# Altium PCB MdFOC.PcbDoc (part 1 of 2) (continued)
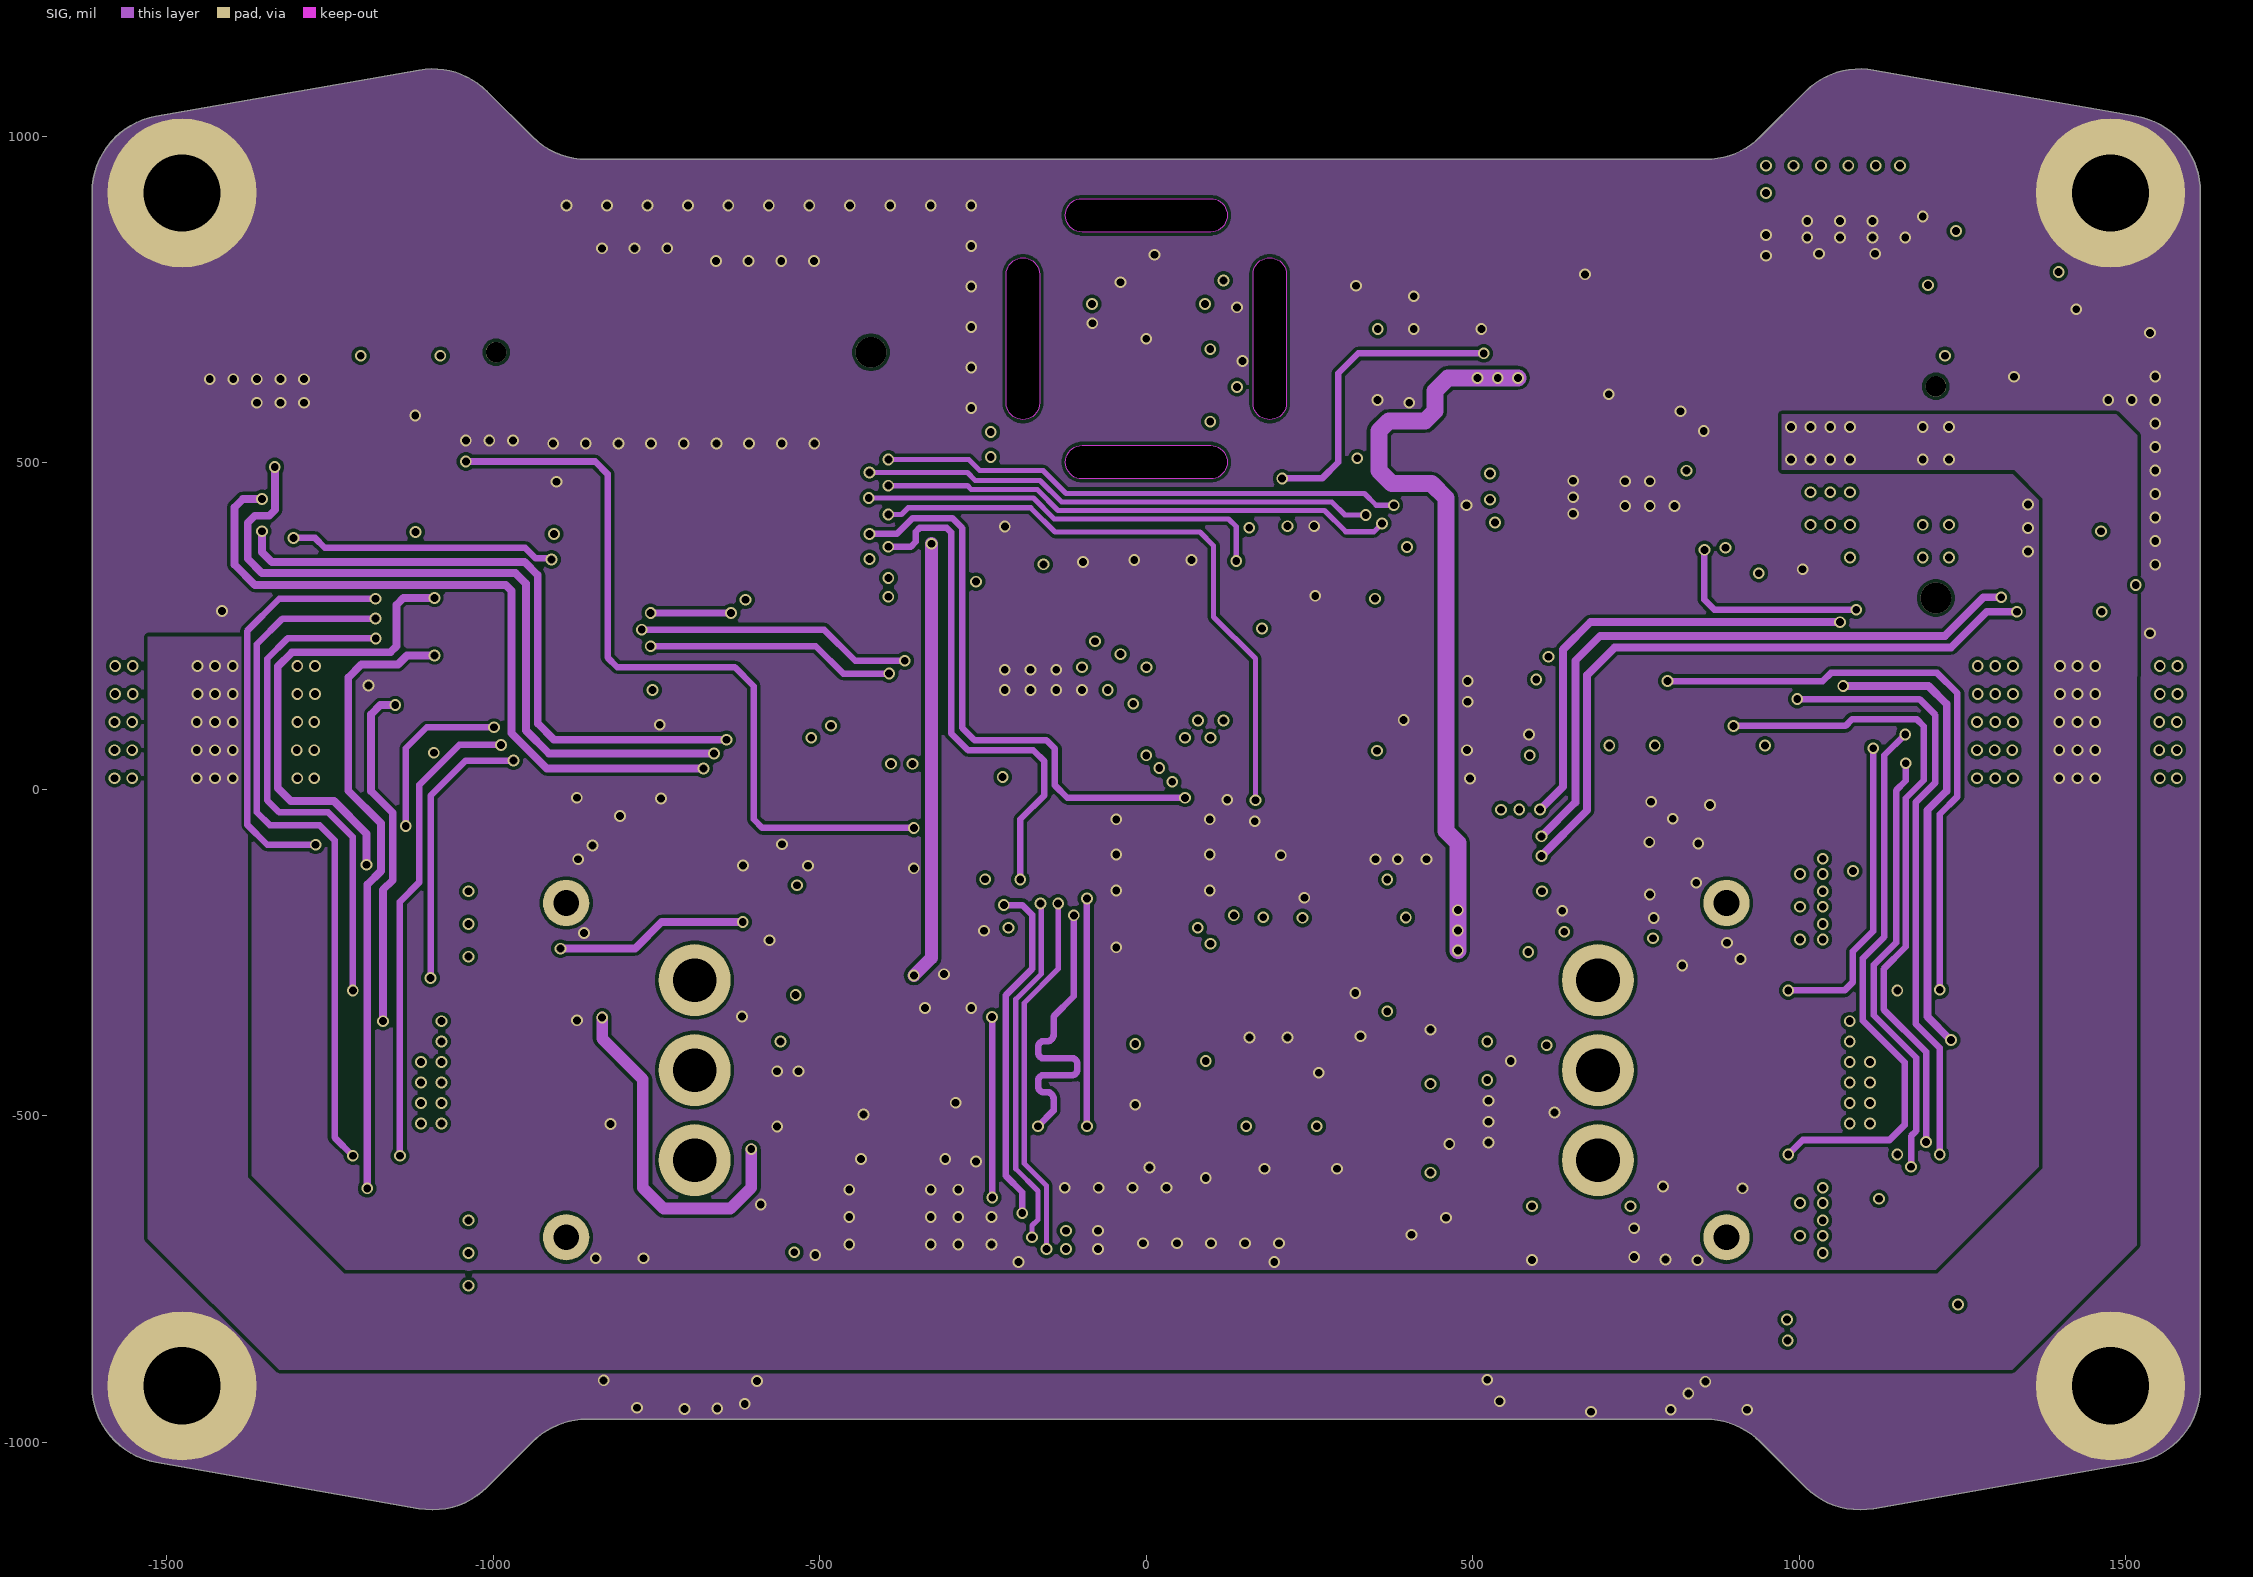
[diagram p3: SIG]
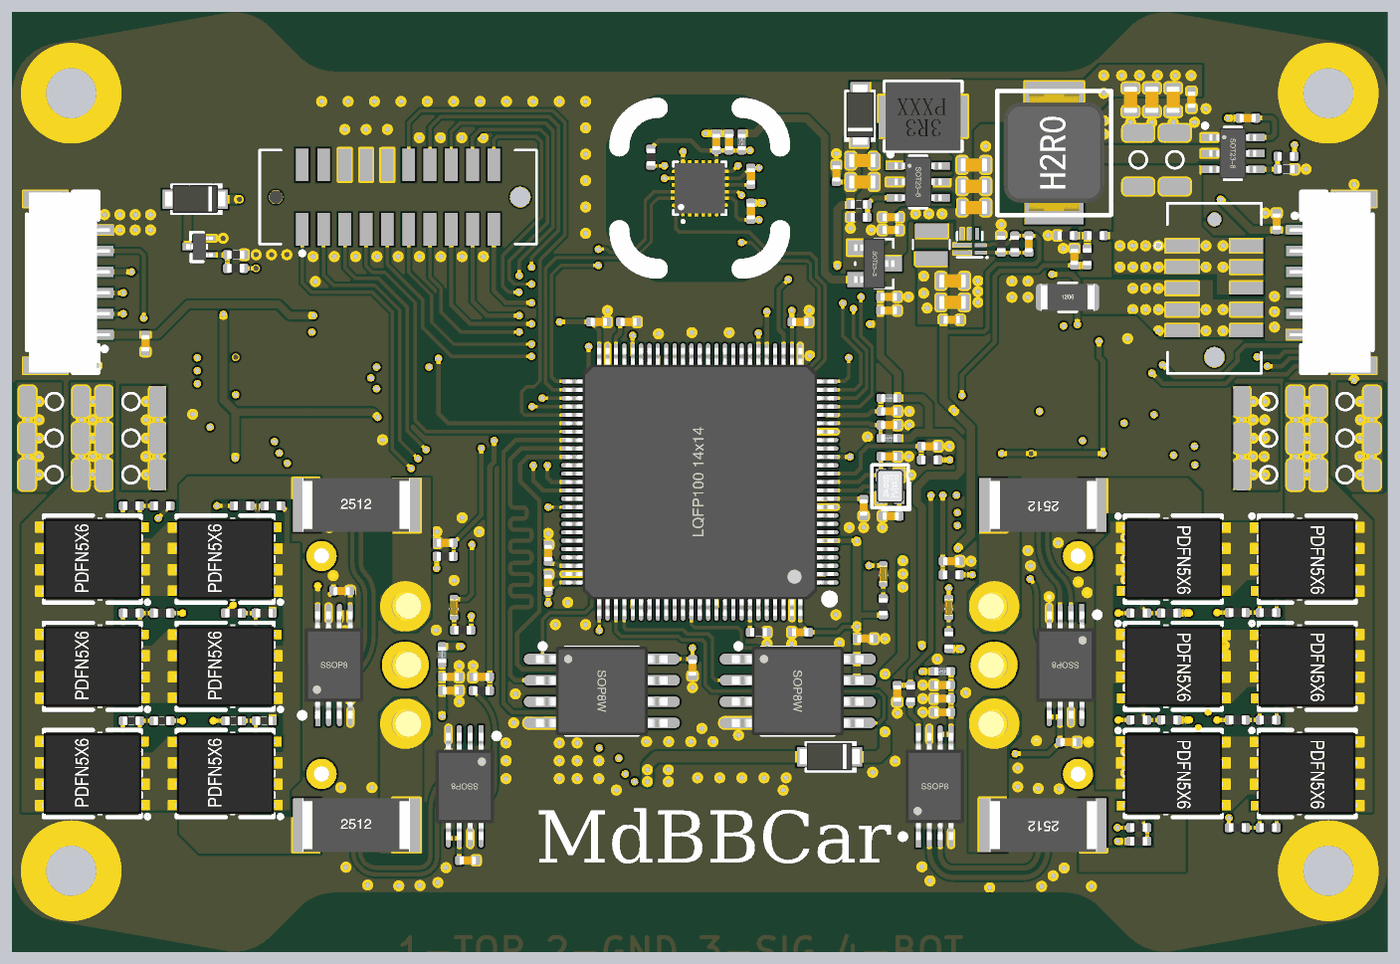
[diagram p5: 3D render of the assembled board from above, using the file's embedded part models]
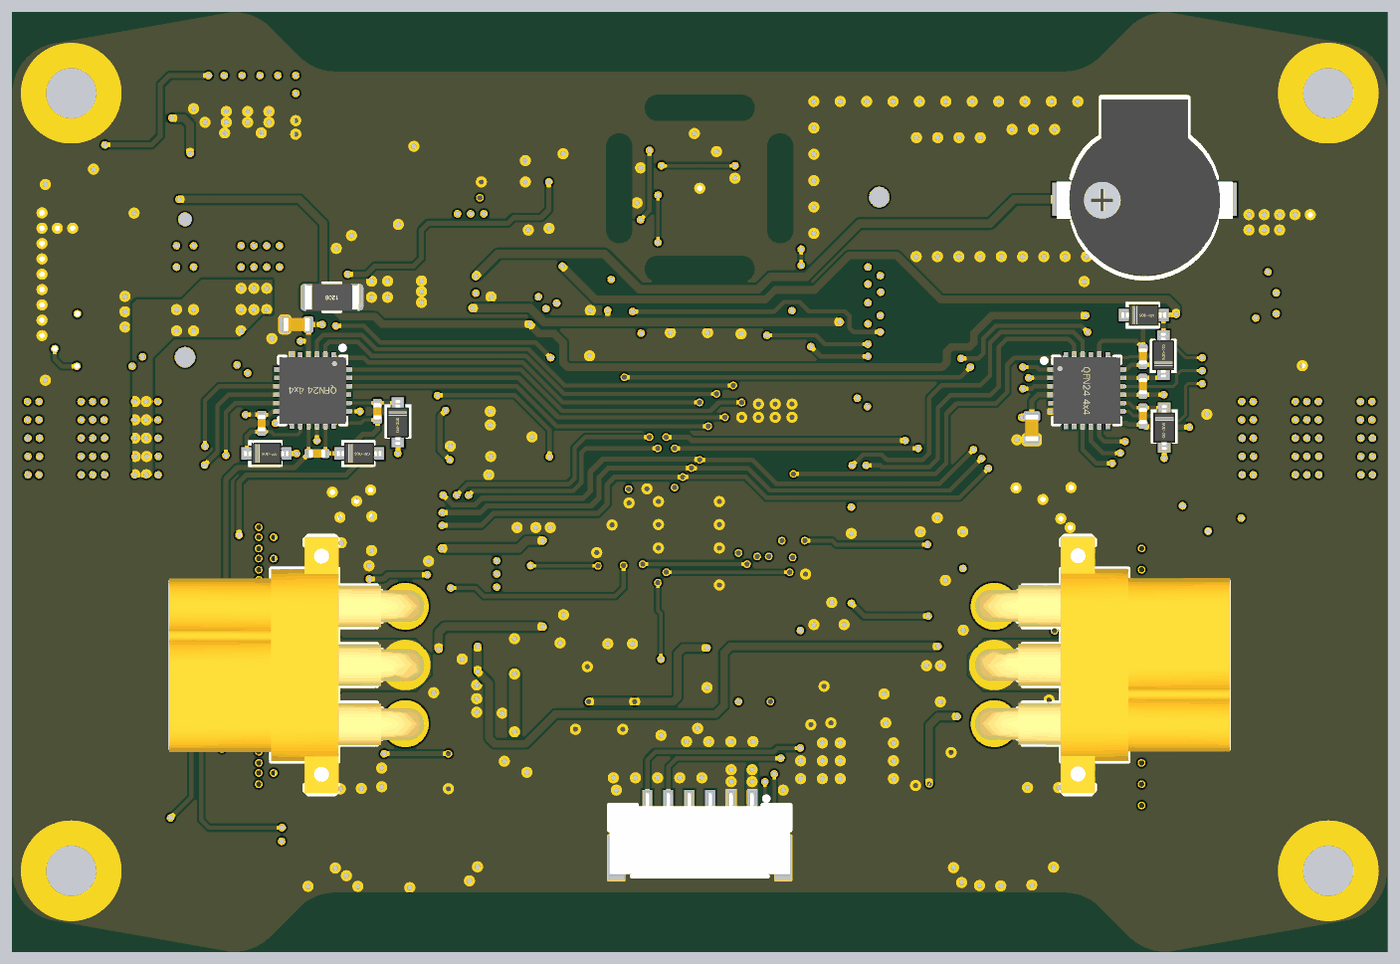
[diagram p6: 3D render of the assembled board from below, using the file's embedded part models]

## Layer stack, top to bottom
Top Solder: solder mask 0.4, Solder Resist, Dk 3.5
Top Layer: signal copper 1.4
Dielectric 2: prepreg 8.2835, PP-006, Dk 4.1
GND: plane copper 0.689, net (Multiple Nets)
Dielectric 3: prepreg 41.9291, PP-006, Dk 4.1
SIG: signal copper 0.689
Dielectric 1: dielectric 8.2835, FR-4, Dk 4.8
Bottom Layer: signal copper 1.4
Bottom Solder: solder mask 0.4, Solder Resist, Dk 3.5

## Board outline
-1113.6,-1101.42 ccw(c-1093.09,-985.11) -1009.57,-1068.62 -940.1,-999.16 cw(c-856.59,-1082.67) -856.59,-964.57 856.59,-964.57 cw(c856.59,-1082.67) 940.1,-999.16 1009.57,-1068.62 ccw(c1093.09,-985.11) 1113.6,-1101.42 1516.57,-1030.37 ccw(c1496.06,-914.05) 1614.17,-914.05 1614.17,914.05 ccw(c1496.06,914.05) 1516.57,1030.37 1113.6,1101.42 ccw(c1093.09,985.11) 1009.57,1068.62 940.1,999.16 cw(c856.59,1082.67) 856.59,964.57 -856.59,964.57 cw(c-856.59,1082.67) -940.1,999.16 -1009.57,1068.62 ccw(c-1093.09,985.11) -1113.6,1101.42 -1516.57,1030.37 ccw(c-1496.06,914.05) -1614.17,914.05 -1614.17,-914.05 ccw(c-1496.06,-914.05) -1516.57,-1030.37
cut-out: 124.02,501.02 cw(c98.43,501.02) 98.43,475.43 -98.42,475.43 cw(c-98.42,501.02) -124.02,501.02 cw(c-98.42,501.02) -98.42,526.61 98.43,526.61 cw(c98.43,501.02) 124.02,501.02
cut-out: -188.98,565.98 cw(c-188.98,591.57) -214.57,591.57 -214.57,788.42 cw(c-188.98,788.42) -188.98,814.02 cw(c-188.98,788.42) -163.39,788.42 -163.39,591.57 cw(c-188.98,591.57) -188.98,565.98
cut-out: 188.98,565.98 cw(c188.98,591.57) 163.39,591.57 163.39,788.42 cw(c188.98,788.42) 188.98,814.02 cw(c188.98,788.42) 214.57,788.42 214.57,591.57 cw(c188.98,591.57) 188.98,565.98
cut-out: 124.02,878.98 cw(c98.43,878.98) 98.43,853.39 -98.42,853.39 cw(c-98.42,878.98) -124.02,878.98 cw(c-98.42,878.98) -98.42,904.57 98.43,904.57 cw(c98.43,878.98) 124.02,878.98

## Design rules (kind name [scope] priority, off if disabled: settings)
Clearance [All] p1: gap=5 ignorepadtopadclearanceinfootprint=FALSE
ComponentClearance [All] p1: gap=2 collisioncheckmode=3 verticalgap=2 showdistances=FALSE
DiffPairsRouting [All] p1: maxlimit=20 minlimit=4 mostfreqgap=6 toplayer_minwidth=8 toplayer_maxwidth=50 toplayer_prefwidth=10 midlayer1_minwidth=8 midlayer1_maxwidth=50 midlayer1_prefwidth=10 bottomlayer_minwidth=8 bottomlayer_maxwidth=50 bottomlayer_prefwidth=10 maxuncoupledlength=500
MatchedLengths [InNetClass('QSPI_MATCHLEN')] p1: tolerance=10 checknetsindiffpair=FALSE checkdiffpairvsdiffpair=TRUE checkxsignals=TRUE checkothers=TRUE
PlaneClearance [All] p1: clearance=8
PlaneConnect [All] p1: planeconnectstyle=Direct reliefexpansion=20 reliefentries=4 reliefconductorwidth=10 reliefairgap=10
PolygonConnect [All] p1: connectstyle=Direct reliefconductorwidth=10 reliefentries=4 polygonreliefangle="90 Angle" airgapwidth=10
RoutingVias [All] p1: holewidth=12 width=18 viastyle="Through Hole" minholewidth=12 minwidth=18 maxholewidth=28 maxwidth=50
SolderMaskExpansion [All] p1: expansion=4 istentingtop=FALSE
Width [All] p1: maxlimit=50 minlimit=4 preferedwidth=10
26 further rules are at their usual default settings.

## Classes and differential pairs
differential pair 2B_ISENS: +2B_ISENS_P -2B_ISENS_N
differential pair 2A_ISENS: +2A_ISENS_P -2A_ISENS_N
differential pair 1B_ISENS: +1B_ISENS_P -1B_ISENS_N
differential pair 1A_ISENS: +1A_ISENS_P -1A_ISENS_N

## Components (designator, comment, footprint, x,y, rotation, side; value= is the part's Value field where it differs from the comment)
C1 "100nF" "C 0402_L" 445,134 r0 top
C2 "100nF" "C 0402_L" 385,-60 r90 top
C3 "100nF" "C 0402_L" 236,376 r180 top
C4 "100nF" "C 0402_L" -237,376 r180 top
C5 "100nF" "C 0402_L" -356,-237 r270 top
C6 "100nF" "C 0402_L" 236,-353 r0 top
C7 "12pF" "C 0402_L" 449,-80 r0 top
C8 "12pF" "C 0402_L" 445,60 r180 top
C9 "100nF" "C 0402_L" 445,166 r180 top
C10 "100nF" "C 0402_L" 540,84 r0 top
C11 "2.2uF" "C 0402_L" -167,376 r180 top
C12 "2.2uF" "C 0402_L" -356,-167 r270 top
C13 "100nF" "C 0402_L" -1302,326 r90 top
C14 "22uF/50V" "C 1206_L" -1336,103 r0 top
C15 "22uF/50V" "C 1206_L" -1336,17 r0 top
C16 "22uF/50V" "C 1206_L" -1336,189 r0 top
C17 "22uF/50V" "C 1206_L" -1517,103 r180 top
C18 "22uF/50V" "C 1206_L" -1517,17 r180 top
C19 "22uF/50V" "C 1206_L" -1516,189 r180 top
C20 "100nF" "C 0402_L" -1041,295 r90 bottom
C21 "10uF" "C 0603_L" -780,127 r270 bottom
C22 "100nF" "C 0402_L" -1041,225 r90 bottom
C23 "100nF" "C 0402_L" -1041,155 r90 bottom
C24 "2.2nF" "C 0402_L" -598,-143 r0 top
C25 "2.2nF" "C 0402_L" -513,-458 r0 top
C26 "100nF" "C 0402_L" -841,-256 r180 top
C27 "100nF" "C 0402_L" -545,-889 r180 top
C28 "100nF" "C 0402_L" 1355,612 r270 top
C29 "22uF/50V" "C 1206_L" 1516,189 r0 top
C30 "22uF/50V" "C 1206_L" 1516,103 r0 top
C31 "22uF/50V" "C 1206_L" 1516,17 r0 top
C32 "22uF/50V" "C 1206_L" 1336,189 r180 top
C33 "22uF/50V" "C 1206_L" 1336,17 r180 top
C34 "22uF/50V" "C 1206_L" 1336,103 r180 top
C35 "100nF" "C 0402_L" 757,166 r90 bottom
C36 "10uF" "C 0603_L" 947,370 r0 bottom
C37 "100nF" "C 0402_L" 899,67 r180 bottom
C38 "100nF" "C 0402_L" 1029,138 r270 bottom
C39 "2.2nF" "C 0402_L" 591,-186 r180 top
C40 "2.2nF" "C 0402_L" 464,-497 r90 top
C41 "100nF" "C 0402_L" 866,-611 r180 top
C42 "100nF" "C 0402_L" 570,-541 r0 top
C43 "4.7uF" "C 0402_L" -585,-458 r180 top
C44 "100nF" "C 0402_L" -585,-490 r180 top
C45 "4.7uF" "C 0402_L" 570,-477 r0 top
C46 "100nF" "C 0402_L" 570,-509 r0 top
C47 "22uF" "C 1206_L" 1030,757 r90 top
C48 "22uF" "C 1206_L" 1116,757 r90 top
C49 "22uF" "C 0603_L" 1062,898 r90 top
C50 "22uF" "C 0603_L" 1112,898 r90 top
C51 "22uF" "C 0603_L" 1012,898 r90 top
C52 "100nF" "C 0402_L" 1155,898 r90 top
C53 "22uF" "C 0603_L" 644,745 r180 top
C54 "22uF" "C 0603_L" 382,755 r180 top
C55 "22uF" "C 0603_L" 382,705 r180 top
C56 "100nF" "C 0402_L" 321,725 r270 top
C57 "100nF" "C 0402_L" 1287,855 r180 top
C58 "22uF" "C 0603_L" 644,695 r180 top
C59 "22uF" "C 0603_L" 594,472.45 r180 top
C60 "22uF" "C 0603_L" 594,422 r180 top
C61 "100nF" "C 0402_L" 592,381 r180 top
C62 "22uF" "C 0603_L" 644,645 r180 top
C63 "6.8pF" "C 0402_L" 773,559 r270 top
C64 "10uF" "C 0402_L" 449,622 r0 top
C65 "1uF" "C 0402_L" 449,592 r0 top
C66 "10uF" "C 0402_L" 444,435 r180 top
C67 "1uF" "C 0402_L" 444,403 r180 top
C68 "2.2uF" "C 0402_L" 880,529 r270 top
C69 "100nF" "C 0402_L" 120,636 r90 top
C70 "100nF" "C 0402_L" 120,718 r90 top
C71 "100nF" "C 0402_L" 39,799 r270 top
C72 "2.2uF" "C 0402_L" 69,799 r270 top
C73 "104" "C 0402_L" -17,-436 r90 top
C74 "104" "C 0402_L" 389,-368 r180 top
D1 "IN5819WS" SOD-323 -1043,392 r180 bottom
D2 "IN5819WS" SOD-323 -1089,298 r90 bottom
D3 "IN5819WS" SOD-323 -1091,128 r270 bottom
D4 "IN5819WS" SOD-323 709,140 r270 bottom
D5 "IN5819WS" SOD-323 800,67 r180 bottom
D6 "IN5819WS" SOD-323 1018,67 r180 bottom
D7 "DSS34" SOD-123FL 379,863 r90 top
D8 "DSS34" SOD-123FL 305,-643 r180 top
D9 "DSS34" SOD-123FL -1185,667 r180 top
J1 "MR30PW-F" MR30PW_F -790,-430 r180 bottom locked
J2 "MR30PW-F" MR30PW_F 790,-430 r0 bottom
J3 "BTB-1.27-LI-2X5P" 1.27-LI-2X5P 1209,455 r270 top
J4 "BTB-1.27-LI-2X10P" 1.27-LI-2X10P -708.66,669.29 r0 top
JP1 "HDR-1X6" GH1.25-WS-6P -1474,469 r270 top
JP2 "HDR-1X6" GH1.25-WS-6P 1474,469 r90 top
JP3 "HDR-1X6" GH1.25-WS-6P 0,-820 r180 bottom
L1 "2.2nH" "L 0402" 445,103 r180 top
L2 "2.2nH" "L 0402" 445,197 r180 top
L3 "BLM15AX102SN1D" "L 0402" -605,-406 r90 top
L4 "BLM15AX102SN1D" "L 0402" 570,-445 r180 top
L5 "2.2uH" L-4020 520,862 r180 top
L6 "3.3uH" L-0630 827,780 r90 top
L7 "FTC252012S2R2" 252012 544,558 r270 top
L8 "BLM15AX102SN1D" "L 0402" 99,799 r270 top
LED1 "红色" "LED 0402R" 431,-218 r90 top
LED2 "红色" "LED 0402R" -576.89,-296.61 r90 top
LED3 "红色" "LED 0402R" 585,-296.61 r90 top
LS1 "DC5V" BEEP_SMD_SBZ9032C03R16 -1045,664 r180 bottom locked
Q1 "KNY3303A" PDFN-8(5.8x4.9) -1453.96,-181.2 r90 top
Q2 "KNY3303A" PDFN-8(5.8x4.9) -1453.96,-685 r90 top
Q3 "KNY3303A" PDFN-8(5.8x4.9) -1453.96,-433.1 r90 top
Q4 "KNY3303A" PDFN-8(5.8x4.9) -1141.96,-181.2 r90 top
Q5 "KNY3303A" PDFN-8(5.8x4.9) -1141.96,-685 r90 top
Q6 "KNY3303A" PDFN-8(5.8x4.9) -1141.96,-433.1 r90 top
Q7 "KNY3303A" PDFN-8(5.8x4.9) 1453.96,-181.2 r270 top
Q8 "KNY3303A" PDFN-8(5.8x4.9) 1453.96,-685 r270 top
Q9 "KNY3303A" PDFN-8(5.8x4.9) 1453.96,-433.1 r270 top
Q10 "KNY3303A" PDFN-8(5.8x4.9) 1139.76,-181.2 r270 top
Q11 "KNY3303A" PDFN-8(5.8x4.9) 1139.76,-685 r270 top
Q12 "KNY3303A" PDFN-8(5.8x4.9) 1139.76,-433.1 r270 top
Q13 "2SK3019" SOT523 -1176,553 r180 top
R1 "10K" "R 0402_L" 540,52 r180 top
R2 "10K" "R 0402_L" 138,-353 r180 top
R3 "20R" "R 0402_L" -1263,-56 r0 top
R4 "20R" "R 0402_L" -1263,-561 r0 top
R5 "20R" "R 0402_L" -1263,-308 r0 top
R6 "10K" "R 0402_L" -1335,-56 r0 top
R7 "10K" "R 0402_L" -1335,-561 r0 top
R8 "10K" "R 0402_L" -1335,-308 r0 top
R9 "0.01R" "R 2512_L" -807.03,-54 r0 top
R10 "0.01" "R 2512_L" -807.03,-806 r0 top
R11 "100R" "R 0402_L" -598,-175 r0 top
R12 "100R" "R 0402_L" -513,-490 r0 top
R13 "20R" "R 0402_L" -1075,-56 r180 top
R14 "20R" "R 0402_L" -1095,-561 r180 top
R15 "20R" "R 0402_L" -1095,-308 r180 top
R16 "10K" "R 0402_L" -1003,-56 r180 top
R17 "10K" "R 0402_L" -1023,-561 r180 top
R18 "10K" "R 0402_L" -1023,-308 r180 top
R19 "20R" "R 0402_L" 1263,-307 r180 top
R20 "20R" "R 0402_L" 1263,-812 r180 top
R21 "20R" "R 0402_L" 1263,-559 r180 top
R22 "10K" "R 0402_L" 1335,-307 r180 top
R23 "10K" "R 0402_L" 1335,-812 r180 top
R24 "10K" "R 0402_L" 1335,-559 r180 top
R25 "0.01R" "R 2512_L" 807.03,-54 r180 top
R26 "0.01R" "R 2512_L" 807.03,-806 r180 top
R27 "100R" "R 0402_L" 591,-218 r180 top
R28 "100R" "R 0402_L" 495,-497 r90 top
R29 "20R" "R 0402_L" 1031,-308 r180 top
R30 "20R" "R 0402_L" 1031,-812 r180 top
R31 "20R" "R 0402_L" 1031,-559 r180 top
R32 "10K" "R 0402_L" 1103,-308 r180 top
R33 "10K" "R 0402_L" 1031,-844 r0 top
R34 "10K" "R 0402_L" 1103,-559 r180 top
R35 "200K" "R 0402_L" 374,652 r180 top
R36 "10K" "R 0402_L" 374,622 r180 top
R37 "10K" "R 0402_L" 1377,735 r180 top
R38 "54.9K" "R 0402_L" 1377,765 r0 top
R39 "0R" "R 1206_L" 864,434 r0 top
R40 "0R" "R 1206_L" 864,434 r0 bottom
R41 "100K" "R 0402_L" 708,559 r90 top
R42 "450K" "R 0402_L" 740,559 r270 top
R43 "100K" "R 0402_L" 930,579 r0 top
R44 "1K" "R 0402_L" 910,529 r90 top
R45 "10K" "R 0402_L" 860,579 r0 top
R46 "10K" "R 0402_L" -115,763 r270 top
R47 "100R" "R 0402_L" -1090,502 r180 top
R48 "10K" "R 0402_L" -1090,534 r180 top
R49 "2K" "R 0402_L" 431,-293 r270 top
R50 "2K" "R 0402_L" -557,-348 r0 top
R51 "2K" "R 0402_L" 585,-372 r270 top
U1 "STM32H750VBT6" "LQFP100 14x14_L" 0,0 r90 top locked
U2 "FD6288Q" "QFN24 4x4_L" -909,214.99 r270 bottom
U3 "INA240" SSOP8_L -859,-430 r90 top
U4 "INA240" SSOP8_L -552,-715 r270 top
U5 "FD6288Q" "QFN24 4x4_L" 909,215 r0 bottom
U6 "INA240" SSOP8_L 859,-430 r270 top
U7 "INA240" SSOP8_L 552,-715 r90 top
U8 "TPS564201" SOT23-6L 1252,772 r270 top
U9 "MT3608L" SOT23-6L 513,705 r270 top
U10 "SY8843QWC" "QFN7 1.5X1.5" 638,561 r180 top
U11 "CJ6206A33M" SOT23-3L 410,513 r270 top
U12 "MPU6500" "QFN24 3X3" 0,690 r0 top
U13 "W25QxxJVXX" SOP8W_L -230,-491 r0 top
U14 "W25QxxJVXX" SOP8W_L 230,-491 r0 top
X1 "40M" "OSC 2016-4P" 447,-10 r90 top

## Footprints (in the part's own frame and the unit in brackets; to place one, negate y for a bottom-side part, rotate by r counter-clockwise, add the part's x,y. Pads: shape width x height; smd on the part's side, far side on the other; paste and mask are expansions set on the pad)
1.27-LI-2X5P [mm]
  round 0.8 hole 0.8: 0(-4.115,0)
  round 1.2 hole 1.2: 0(4.115,0)
  rect 0.76x1.95 smd: 1(-2.54,-1.925) 2(-1.27,-1.925) 3(0,-1.925) 4(1.27,-1.925) 5(2.54,-1.925) 6(2.54,1.925) 7(1.27,1.925) 8(0,1.925) 9(-1.27,1.925) 10(-2.54,1.925)
  silkscreen extent -5.08,-3.47 5.08,2.8
1.27-LI-2X10P [mm]
  round 0.8 hole 0.8: 0(-7.29,0)
  round 1.2 hole 1.2: 0(7.29,0)
  rect 0.76x1.95 smd: 1(-5.715,-1.925) 2(-4.445,-1.925) 3(-3.175,-1.925) 4(-1.905,-1.925) 5(-0.635,-1.925) 6(0.635,-1.925) 7(1.905,-1.925) 8(3.175,-1.925) 9(4.445,-1.925) 10(5.715,-1.925) 11(5.715,1.925) 12(4.445,1.925) 13(3.175,1.925) 14(1.905,1.925) 15(0.635,1.925) 16(-0.635,1.925) 17(-1.905,1.925) 18(-3.175,1.925) 19(-4.445,1.925) 20(-5.715,1.925)
  silkscreen extent -8.25,-3.47 8.25,2.8
252012 [mm]
  rect 0.85x1.905 smd: 1(-0.83,0) 2(0.83,0)
  silkscreen extent -0.29,-1.1 0.29,1.1, body extent -1.25,-1 1.25,1, height 1.2
BEEP_SMD_SBZ9032C03R16 [mm]
  rect 3x2 smd: 1(-4,0) 2(4,0)
  silkscreen extent -4.38,-4.71 4.32,6.1, body extent -5.25,-4.55 5.25,5.95, height 2.51
"C 0402_L" [mm] "无极性贴片电容"
  rrect50% 0.5x0.55 smd: 1(-0.5,0) 2(0.5,0)
  silkscreen extent -0.13,-0.13 0.13,0.13, body extent -0.5,-0.25 0.5,0.25, height 0.5
"C 0603_L" [mm] "无极性贴片电容"
  rrect50% 0.6x1 smd: 1(-0.7,0) 2(0.7,0)
  silkscreen extent -0.2,-0.2 0.2,0.2, body extent -0.8,-0.4 0.8,0.4, height 0.8
"C 1206_L" [mm] "无极性贴片电容"
  rrect50% 1x1.85 smd: 1(1.6,0) 2(-1.6,0)
  silkscreen extent -0.51,-0.51 0.51,0.51, body extent -1.5,-0.75 1.5,0.75, height 1.5
GH1.25-WS-6P [mm]
  rect 0.6x1.7 smd paste+0 mask+0.051: 1(3.125,1.6) 2(1.875,1.6) 3(0.625,1.6) 4(-0.625,1.6) 5(-1.875,1.6) 6(-3.125,1.6)
  rect 1x2.7 smd paste+0 mask+0.051: 7(-4.975,-1.6) 8(4.975,-1.6)
  silkscreen extent -5.4,-2.7 5.4,2.06, body extent -5.38,-2.58 5.38,2.28, height 4.28
"L 0402" [mil] "小功率贴片电感"
  rrect50% 20x20 smd: 1(20,0) 2(-20,0)
  silkscreen extent -7,-9 7,9, body extent -20,-10 20,10, height 20
L-0630 [mm]
  rect 2.4x3.5 smd: 1(-3.231,-0.141) 2(2.869,-0.141)
  silkscreen extent -3.88,-3.54 3.52,3.26, body extent -3.65,-3.13 3.35,2.87, height 3
L-4020 [mm]
  rect 1.5x2.5 smd: 1(-2.018,0.072) 2(1.782,0.072)
  silkscreen extent -2.42,-1.98 2.18,2.12, body extent -2.37,-1.96 2.13,2.14, height 1.91
"LED 0402R" [mil]
  rrect50% 20x20 smd: 1(21.61,0.11) 2(-18.39,0.11)
  silkscreen extent -4,-10 7,11, body extent -18,-10 21,10, height 18
"LQFP100 14x14_L" [mm] "100脚，体宽14x14mm，脚距0.5mm"
  oval 0.25x1.5 smd: 1(-6,-7.525) 2(-5.5,-7.525) 3(-5,-7.525) 4(-4.5,-7.525) 5(-4,-7.525) 6(-3.5,-7.525) 7(-3,-7.525) 8(-2.5,-7.525) 9(-2,-7.525) 10(-1.5,-7.525) 11(-1,-7.525) 12(-0.5,-7.525) 13(0,-7.525) 14(0.5,-7.525) 15(1,-7.525) 16(1.5,-7.525) 17(2,-7.525) 18(2.5,-7.525) 19(3,-7.525) 20(3.5,-7.525) 21(4,-7.525) 22(4.5,-7.525) 23(5,-7.525) 24(5.5,-7.525) 25(6,-7.525) 51(6,7.525) 52(5.5,7.525) 53(5,7.525) 54(4.5,7.525) 55(4,7.525) 56(3.5,7.525) 57(3,7.525) 58(2.5,7.525) 59(2,7.525) 60(1.5,7.525) 61(1,7.525) 62(0.5,7.525) 63(0,7.525) 64(-0.5,7.525) 65(-1,7.525) 66(-1.5,7.525) 67(-2,7.525) 68(-2.5,7.525) 69(-3,7.525) 70(-3.5,7.525) 71(-4,7.525) 72(-4.5,7.525) 73(-5,7.525) 74(-5.5,7.525) 75(-6,7.525)
  oval 1.5x0.25 smd: 26(7.525,-6) 27(7.525,-5.5) 28(7.525,-5) 29(7.525,-4.5) 30(7.525,-4) 31(7.525,-3.5) 32(7.525,-3) 33(7.525,-2.5) 34(7.525,-2) 35(7.525,-1.5) 36(7.525,-1) 37(7.525,-0.5) 38(7.525,0) 39(7.525,0.5) 40(7.525,1) 41(7.525,1.5) 42(7.525,2) 43(7.525,2.5) 44(7.525,3) 45(7.525,3.5) 46(7.525,4) 47(7.525,4.5) 48(7.525,5) 49(7.525,5.5) 50(7.525,6) 76(-7.525,6) 77(-7.525,5.5) 78(-7.525,5) 79(-7.525,4.5) 80(-7.525,4) 81(-7.525,3.5) 82(-7.525,3) 83(-7.525,2.5) 84(-7.525,2) 85(-7.525,1.5) 86(-7.525,1) 87(-7.525,0.5) 88(-7.525,0) 89(-7.525,-0.5) 90(-7.525,-1) 91(-7.525,-1.5) 92(-7.525,-2) 93(-7.525,-2.5) 94(-7.525,-3) 95(-7.525,-3.5) 96(-7.525,-4) 97(-7.525,-4.5) 98(-7.525,-5) 99(-7.525,-5.5) 100(-7.525,-6)